# KiCad board fabiTEM_0-5.kicad_pcb (continued)
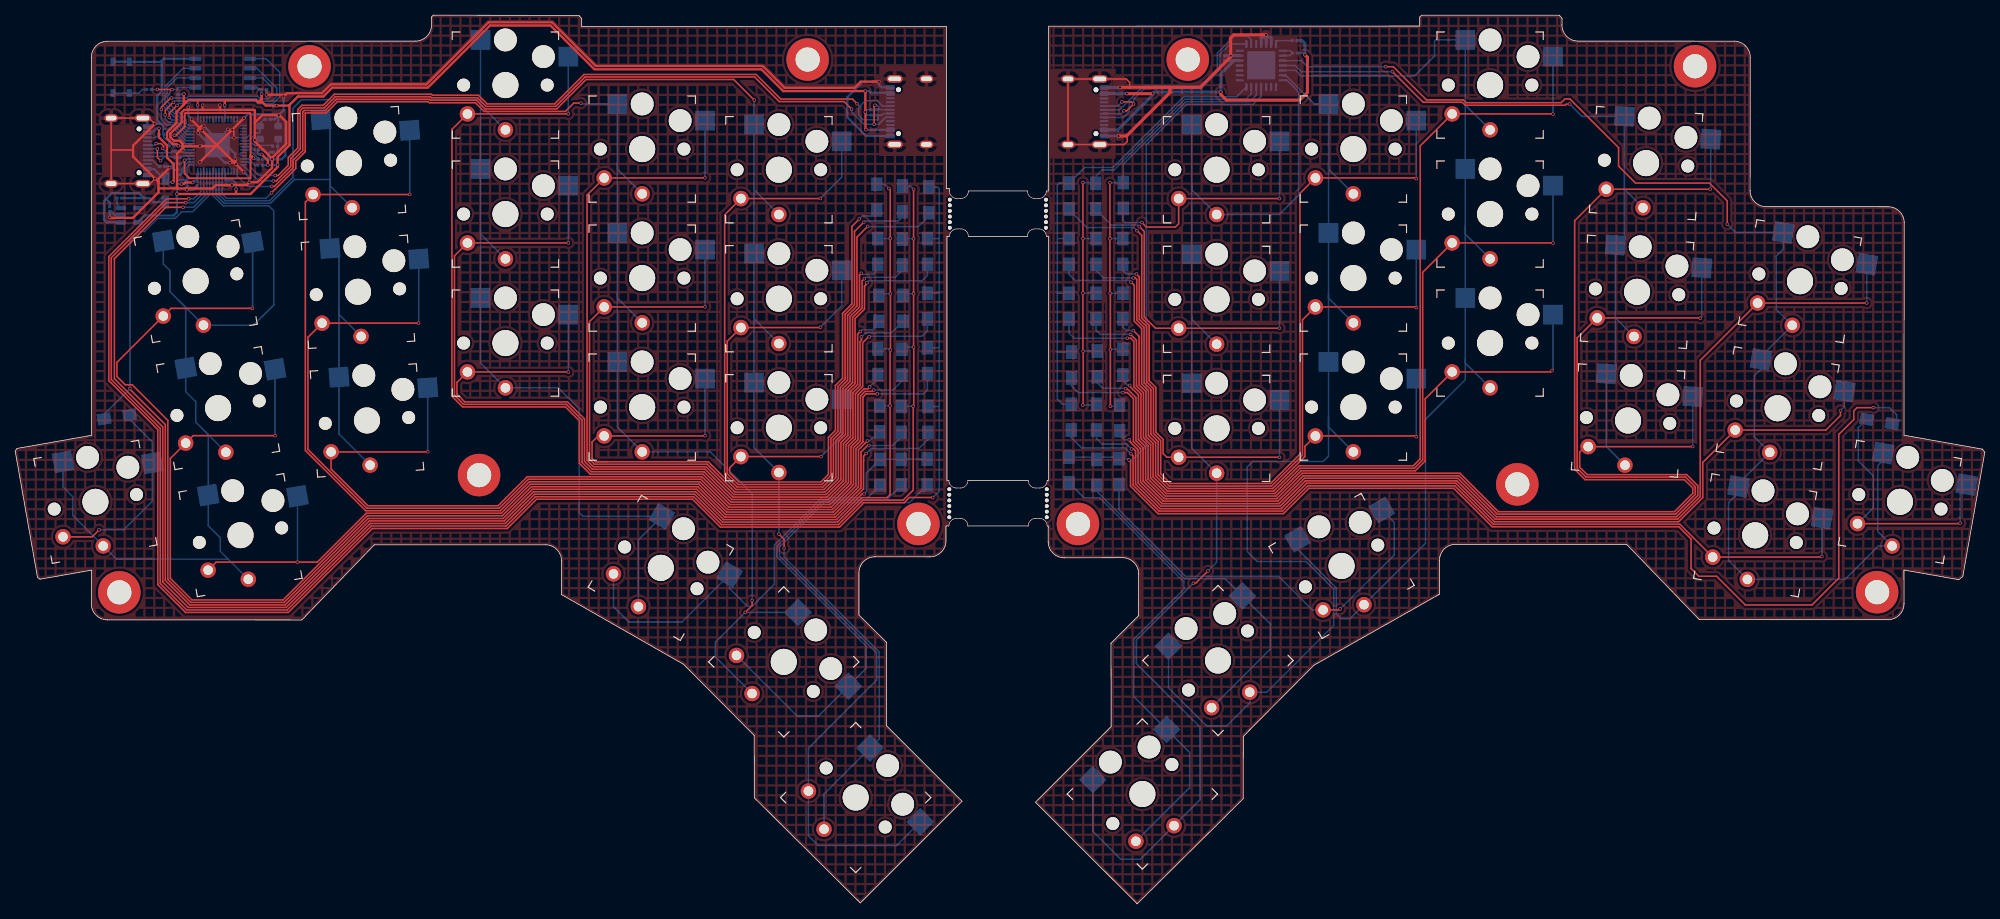
[diagram p0: board, top side]
## Routing (per net, layer and track width the routed paths; a pad name or vN(x,y) marks a point on that pad's centre or on a via; arc(x,y) is an arc through that point) (continued)
Net-(DR4-A): length 109.1
  Top w0.2: v1(184.43,95.57) 184.34,95.66 SWR4.2 169.13,93.63 169.13,59.27 165.25,55.39 152.07,55.39 150.79,56.68 150.79,61.06 149.85,62 149.85,67.9 148.95,68.8 148.95,76.09 147.98,77.06 147.98,82.62 v1(147.6,82.99)
  Bottom w0.2: SWR4.2 v1(184.44,95.57) ; DR4.2 145.83,83.45 146.28,82.99 v1(147.6,82.99)
Net-(DR5-A): length 33.5
  Top w0.2: v1(166.43,92.94) SWR5.2 153.16,89.62 152.73,89.19 148.91,89.19 v1(148.32,89.78)
  Bottom w0.2: v1(148.32,89.78) 148.31,89.78 146.08,89.78 145.83,90.03 145.83,91.47 ; SWR5.2 v1(166.44,92.94)
Net-(DR6-A): length 120.9
  Top w0.2: v1(146.97,59.94) 147.24,59.94 147.49,59.69 147.49,55.31 150.72,52.08 166.69,52.08 166.69,52.1 170,55.42 189.65,55.42 194.71,50.36 218.98,50.36 222.16,53.54 222.16,58.17 SWR6.2 238.37,62.44 240.29,64.35 v1(240.29,65.01)
  Bottom w0.2: DR6.2 142.34,61.33 143.08,60.59 146.32,60.59 v1(146.97,59.94) ; v1(240.29,65.01) 240.81,65.53 SWR6.2
Net-(DR7-A): length 155.2
  Top w0.2: v1(221.83,77.17) 221.79,77.21 SWR7.2 205.62,74.58 205.62,57.4 206.8,56.23 219.9,56.23 221.17,54.95 221.17,53.95 218.57,51.35 195.12,51.35 190.06,56.41 169.56,56.41 166.23,53.07 151.13,53.07 148.48,55.72 148.48,60.1 147.54,61.04 147.54,66.71 146.36,67.88 v1(146.18,67.88)
  Bottom w0.2: SWR7.2 222.03,77.36 v1(221.83,77.17) ; DR7.2 142.42,68.69 143.16,67.96 146.11,67.96 v1(146.18,67.88)
Net-(DR8-A): length 115.8
  Top w0.2: v1(202.43,87.07) 202.41,87.1 SWR8.2 185.28,83.22 185.28,58.5 184.18,57.4 169.14,57.4 165.82,54.07 151.53,54.07 149.47,56.13 149.47,60.51 148.53,61.45 148.53,67.35 147.6,68.28 147.6,74.27 v1(146.82,75.04)
  Bottom w0.2: DR8.2 142.28,75.62 142.85,75.04 v1(146.82,75.04) ; SWR8.2 v1(202.44,87.07)
Net-(DR9-A): length 96
  Top w0.2: v1(184.43,78.57) 184.34,78.66 SWR9.2 169.46,76.96 169.46,59.13 165.39,55.06 151.94,55.06 150.46,56.54 150.46,60.92 149.52,61.86 149.52,67.76 148.62,68.66 148.62,75.95 147.65,76.92 147.65,82.29 147.45,82.49 v1(147.2,82.49)
  Bottom w0.2: SWR9.2 v1(184.44,78.57) ; DR9.2 142.28,83.49 143.28,82.49 v1(147.2,82.49)
Net-(DR10-A): length 44.8
  Top w0.2: v1(166.43,75.85) 166.43,75.86 SWR10.2 150.11,75.86 148.64,77.33 148.64,88.6 v1(147.98,89.26)
  Bottom w0.2: 142.28,91.47 144.3,89.45 147.79,89.45 v1(147.98,89.26) ; SWR10.2 v1(166.44,75.85)
Net-(DR11-A): length 116.5
  Top w0.2: v1(237.83,45.77) 237.76,45.69 SWR11.2 219.14,50.03 194.57,50.03 189.52,55.09 170.16,55.09 166.82,51.75 150.58,51.75 147.16,55.17 147.16,59.03 v1(146.87,59.32)
  Bottom w0.2: SWR11.2 237.86,45.79 v1(237.83,45.77) ; v1(146.87,59.32) 146.1,60.08 140.39,60.08 139.02,61.46 DR11.2
Net-(DR12-A): length 141.6
  Top w0.2: SWR12.2 220.82,60.25 v1(220.83,60.27) ; 206.65,60.25 205.95,59.55 205.95,57.54 206.93,56.56 220.03,56.56 221.5,55.09 221.5,53.82 218.71,51.02 194.98,51.02 189.93,56.08 169.71,56.08 166.38,52.74 150.99,52.74 148.15,55.58 148.15,59.97 147.21,60.91 147.21,66.58 146.41,67.37 v1(145.82,67.37)
  Bottom w0.2: v1(145.82,67.37) 139.95,67.37 139.07,68.25 DR12.2 ; SWR12.2 220.84,60.28 v1(220.83,60.27)
Net-(DR13-A): length 102.9
  Top w0.2: v1(146.41,74.54) 146.87,74.54 147.27,74.13 147.27,68.14 148.2,67.21 148.2,61.32 149.14,60.38 149.14,55.99 151.39,53.74 165.95,53.74 169.28,57.07 184.32,57.07 185.61,58.36 185.61,66.55 SWR13.2 202.14,70.1 v1(202.32,70.28)
  Bottom w0.2: v1(146.41,74.54) 139.42,74.54 138.73,75.23 DR13.2 ; SWR13.2 202.44,70.39 v1(202.32,70.28)
Net-(DR14-A): length 83.1
  Top w0.2: v1(184.43,61.57) 184.35,61.66 SWR14.2 169.79,60.29 169.79,58.95 169.76,58.95 165.54,54.73 151.8,54.73 150.13,56.4 150.13,60.79 149.19,61.73 149.19,67.62 148.29,68.52 148.29,75.81 147.32,76.78 147.32,81.5 146.89,81.92 v1(146.89,81.93)
  Bottom w0.2: DR14.2 138.73,82.98 139.55,82.16 146.66,82.16 v1(146.89,81.93) ; SWR14.2 v1(184.44,61.57)
Net-(DR15-A): length 64.1
  Top w0.2: v1(166.43,58.83) 166.41,58.86 SWR15.2 151.6,58.86 151.12,59.34 151.12,61.2 150.18,62.14 150.18,68.03 149.28,68.93 149.28,76.22 148.31,77.19 148.31,88.08 v1(147.68,88.71)
  Bottom w0.2: v1(147.68,88.71) 147.27,89.12 141.08,89.12 138.74,91.46 DR15.2 ; SWR15.2 v1(166.44,58.83)
Net-(DR16-A): length 33.6
  Top w0.2: SWR16.2 255.97,50.1 v1(256.03,50.17)
  Bottom w0.2: SWR16.2 244.6,52.18 244.6,56.4 242.62,58.38 242.62,62.75 DR16.2 ; 256.03,54.36 v1(256.03,50.17)
Net-(DR17-A): length 54.6
  Top w0.2: SWR17.2 174.3,38.74 v1(174.42,38.86)
  Bottom w0.2: SWR17.2 181.54,50.28 181.54,45.98 v1(174.42,38.86) ; DR17.2 145.32,51.9 154.06,43.17 166.31,43.17 170.74,38.74 SWR17.2
Net-(DR18-A): length 47.6
  Bottom w0.2: 159.78,42.34 165.24,36.87 165.24,33.59 SWR18.2 ; SWR18.2 159.28,42.84 153.92,42.84 142.37,54.38 DR18.2
Net-(DR19-A): length 63.4
  Bottom w0.2: SWR19.2 154.56,15.28 154.61,15.28 154.61,19.94 SWR19.2 147.27,27.29 147.27,34.89 153.85,41.47 153.85,42.44 142.76,53.53 140.68,53.53 DR19.2
Net-(J2-CC1): length 2
  Bottom w0.2: R9.1 18.87,97.19 18.07,97.99 J2.A5
Net-(J2-CC2): length 1.7
  Bottom w0.2: R10.1 18.5,100.99 J2.B5
Net-(U1-EN): length 1.5
  Bottom w0.2: R6.2 13.4,93 13.4,92.22 U1.3
Net-(U1-VIN): length 18.3
  Bottom w0.3: 17.37,93.01 16.94,93.01 16.3,93.65 12.72,93.65 11.98,92.91 ; 17.37,93.01 R6.1 ; 17.37,93.01 17.68,93.01 18.21,92.48 D1.1 ; C6.1 12.46,92.41 11.98,92.89 11.98,92.91 ; 11.98,92.91 11.69,92.62 11.69,90.17 12.05,89.81 U1.1
Net-(U2-RUN): length 2.2
  Bottom w0.2: R3.2 31.55,97.34 30.71,98.18 U2.26
Net-(U2-USB_D+): length 1.5
  Bottom w0.2: U2.47 22.49,98.98 ; 21.7,99.12 R4.2
  Bottom w0.25: 22.49,98.98 21.7,99.12
Net-(U2-USB_D-): length 1.5
  Bottom w0.2: 23.2,98.57 22.49,98.57
  Bottom w0.25: 22.49,98.57 21.71,98.42
Net-(U5-INTA): length 2.9
  Bottom w0.2: 166.86,111.78 167.81,111.78 R2.2 167.85,112.43 U5.15
Net-(U5-~{RESET}): length 2.5
  Bottom w0.2: R13.1 166.2,113.76 165.98,113.54 U5.14

## Copper pours and planes (outline as drawn; the poured copper is in the pictures)
GND on Top: 23.75,102.87 29.44,102.87 29.44,97.19 23.75,97.19
GND on Top: 113.74,110.42 122.58,110.42 122.57,98.55 113.71,98.55
GND on Top: 18.25,102.17 18.88,102.82 18.85,104.05 18.24,104.02 18.09,103.07 17.08,102.32 17.52,101.49 18.06,101.73
GND on Top: 16.19,99.41 18.37,99.37 18.43,98.25 18.62,97.85 19.11,97.59 19.65,97.81 20.08,97.84 20.47,97.51 20.32,96.9 18.42,95.08 16.27,97.47
GND on Top: 31.52,102.93 31.5,104.1 34.95,104.07 35.61,104.01 35.65,100.26 33.77,98.09 33.33,96.71 31.53,100.21 31.53,102.16
GND on Top: 18.99,99.15 19.05,98.42 19.41,98.19 19.65,97.81 20.08,97.84 19.69,98.22 19.65,99.12 19.17,99.29
GND on Top: 28.46,102.86 30.13,103.95 30.39,103.75 30.56,103.57 29.43,102.02
GND on Top: 27.84,97.33 29.51,96.05 30.3,96.05 30.48,96.3 30.49,97.82 29.22,98.66
GND on Top: 114.01,108.93 112.66,108.49 113.08,107.45 114.11,107.4 114.39,108.18 114.26,108.65
GND on Top: 20.35,98.41 21.3,97.7 21.99,98.23 22.85,98.4 23.76,98.37 23.75,99.17 22.43,99.18 21.96,99.32 20.54,99.35 20.35,99.67
GND on Top: 25.09,102.87 23.73,103.86 22.77,103.84 22.77,102.22 24.28,102.15
GND on Top: 11.31,102.65 17.78,102.71 18.11,100.12 17.93,99.35 16.19,99.41 16.19,97.31 17.99,97.31 17.97,95.8 11.46,95.79 11.3,101.06
GND on Top, Bottom: 128.65,-25.93 -8.59,-25.93 -8.59,150.04 128.65,150.04
GNDR on Top: 136.05,110.07 144.89,110.07 144.88,98.2 136.02,98.2
GNDR on Top: 144.4,107.23 145.75,107.25 146.35,108.26 145.9,109.49 144.48,109.02
GNDR on Top: 159.83,114.35 168.84,114.49 168.87,106.46 159.69,106.51 158.82,111.36
GNDR on Top, Bottom: 267.4,-25.93 130.08,-25.94 130.1,150.07 267.41,150.06

Small or netless copper shapes (teardrops, artwork), in the pictures only: 2 on Top, 4 on Bottom

## Text on the board
B.Mask: 0.1
B.Silkscreen: I2C | f a b i l a b | M A D E   B Y | R E V I S I O N   0 . 5 | fabi T E M
User.Drawings: fabiTEM
